# Altium PCB PCB_Chassisv1.0.PcbDoc (part 1 of 3)
Units mm, origin at the board's own origin, x right, y up, seen from the top; angles counter-clockwise.
Board outline 160 x 200 mm, 2 copper layers (Top Layer, Bottom Layer); 226 components, 223 nets, 912 pads, 760 vias.
Unrouted connection lines stored in the file: 149.
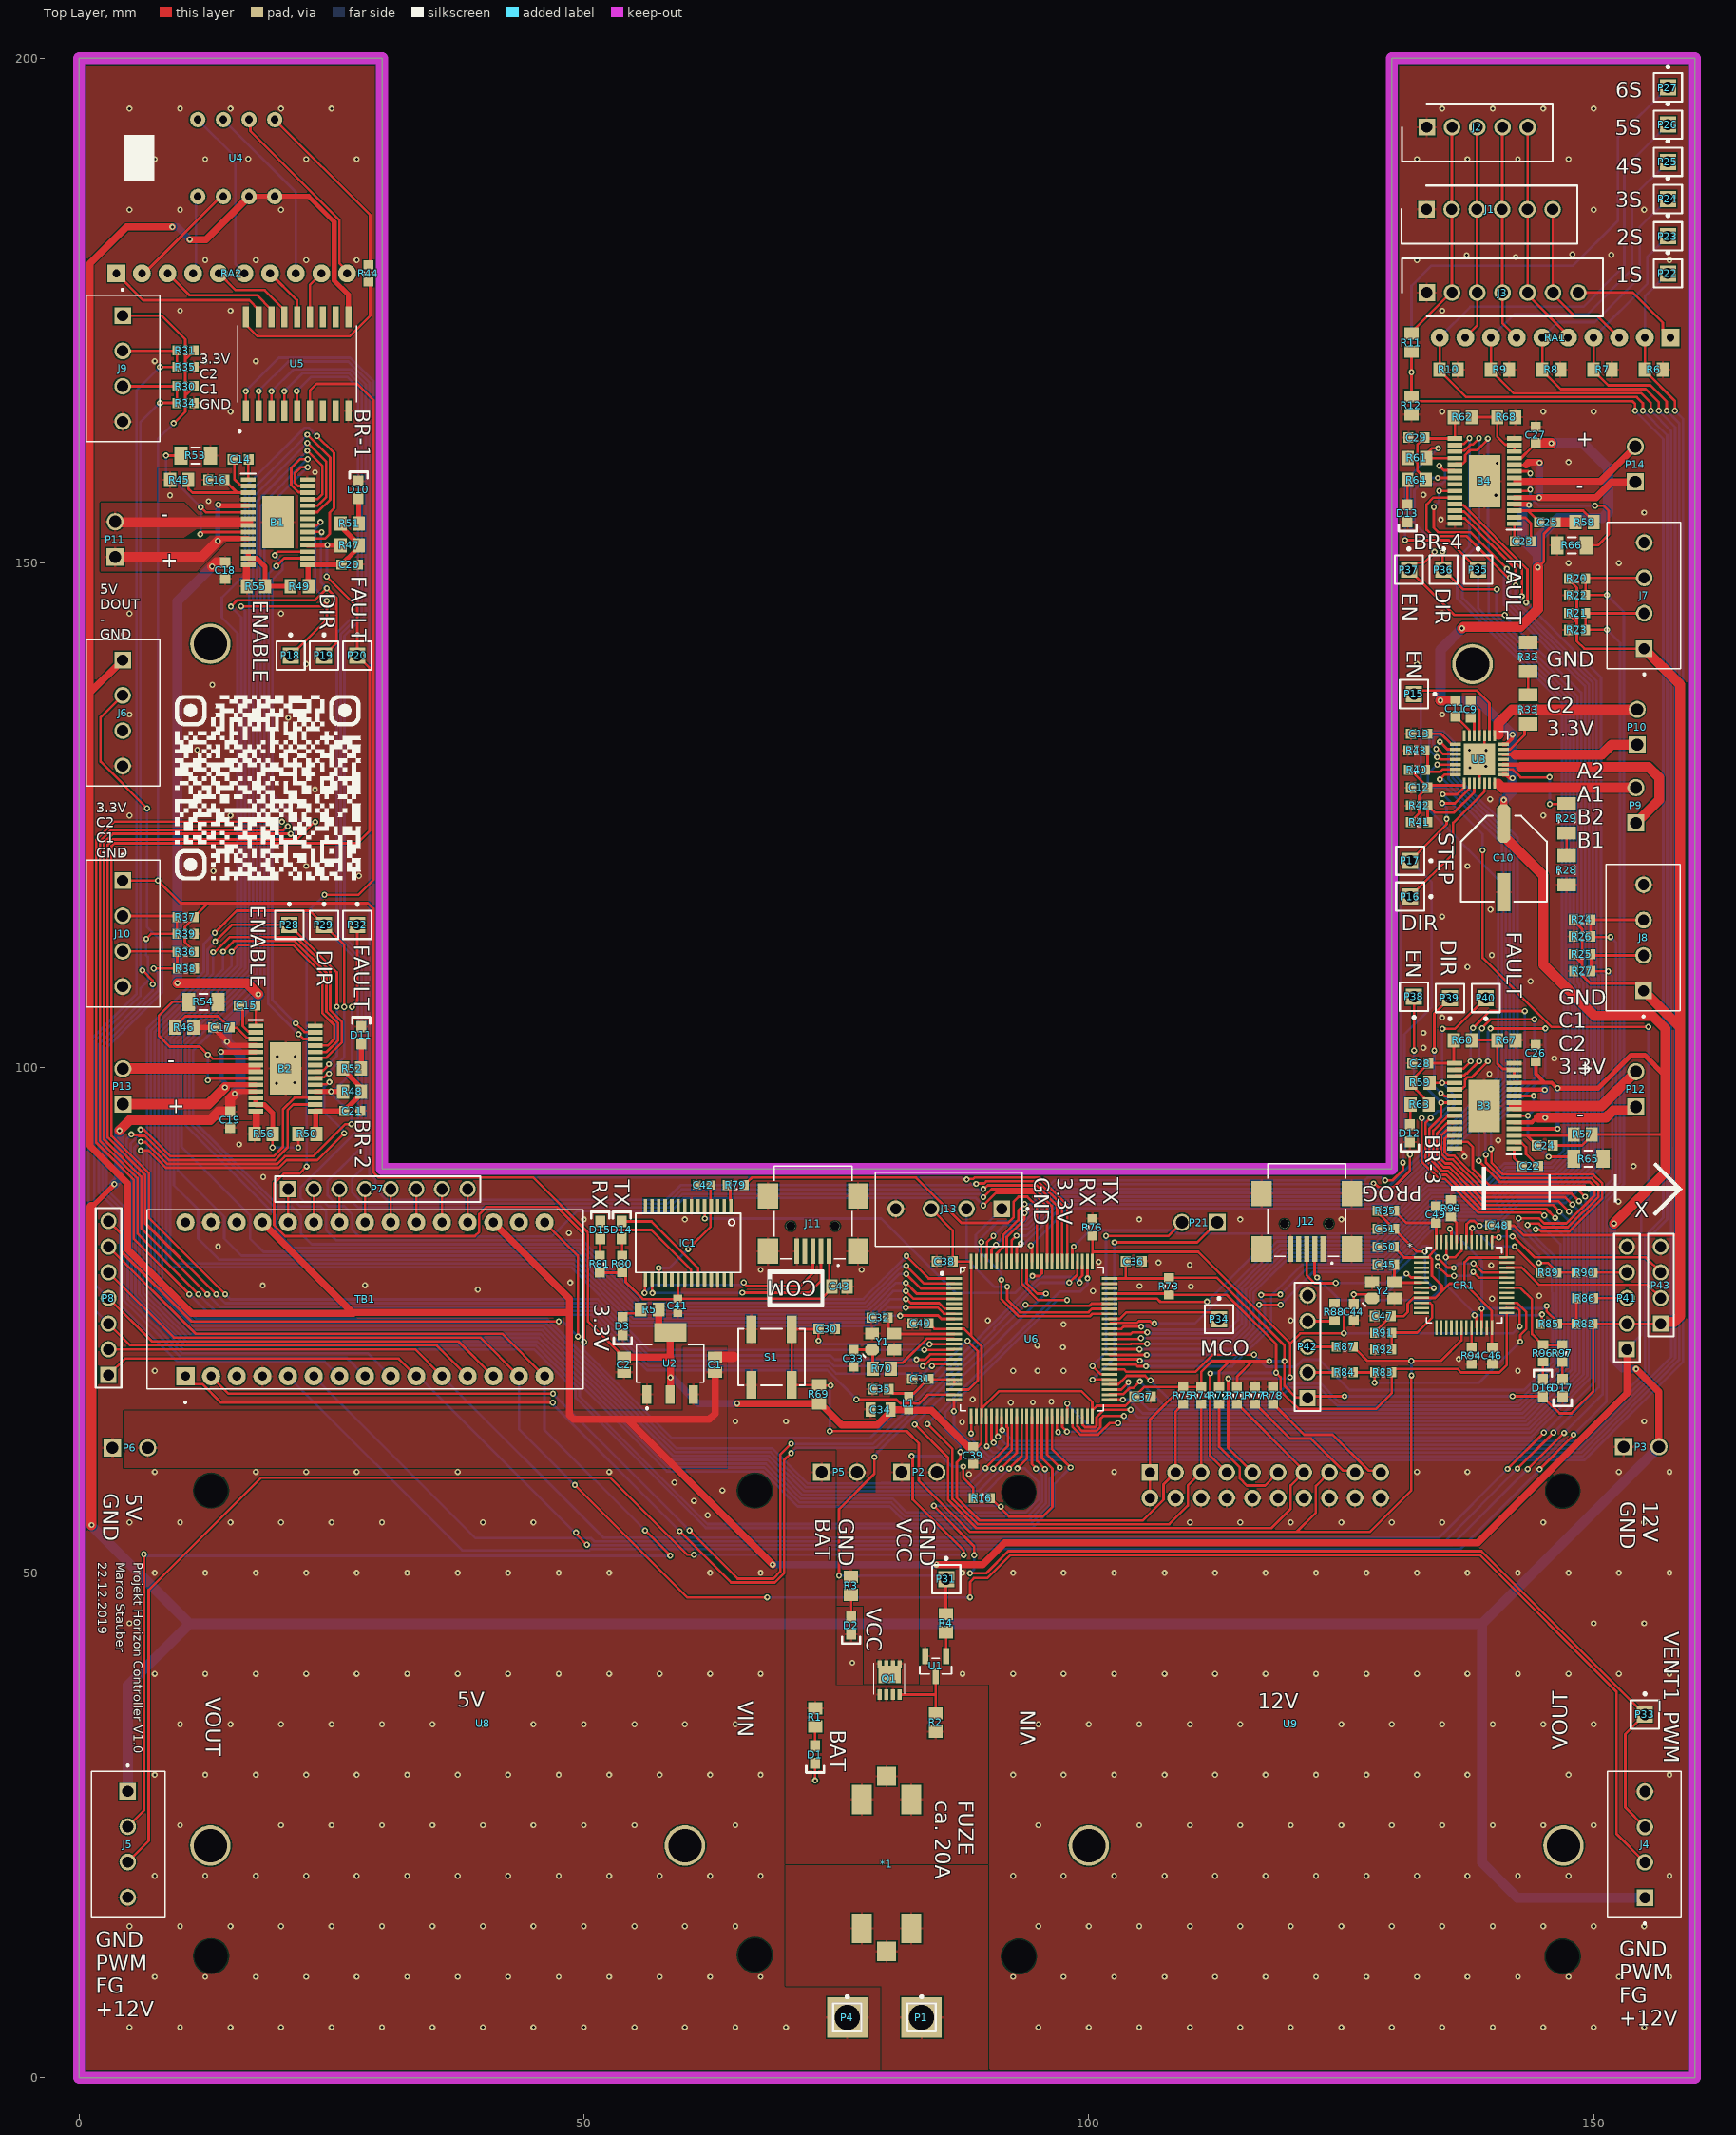
[diagram p0: Top Layer view]
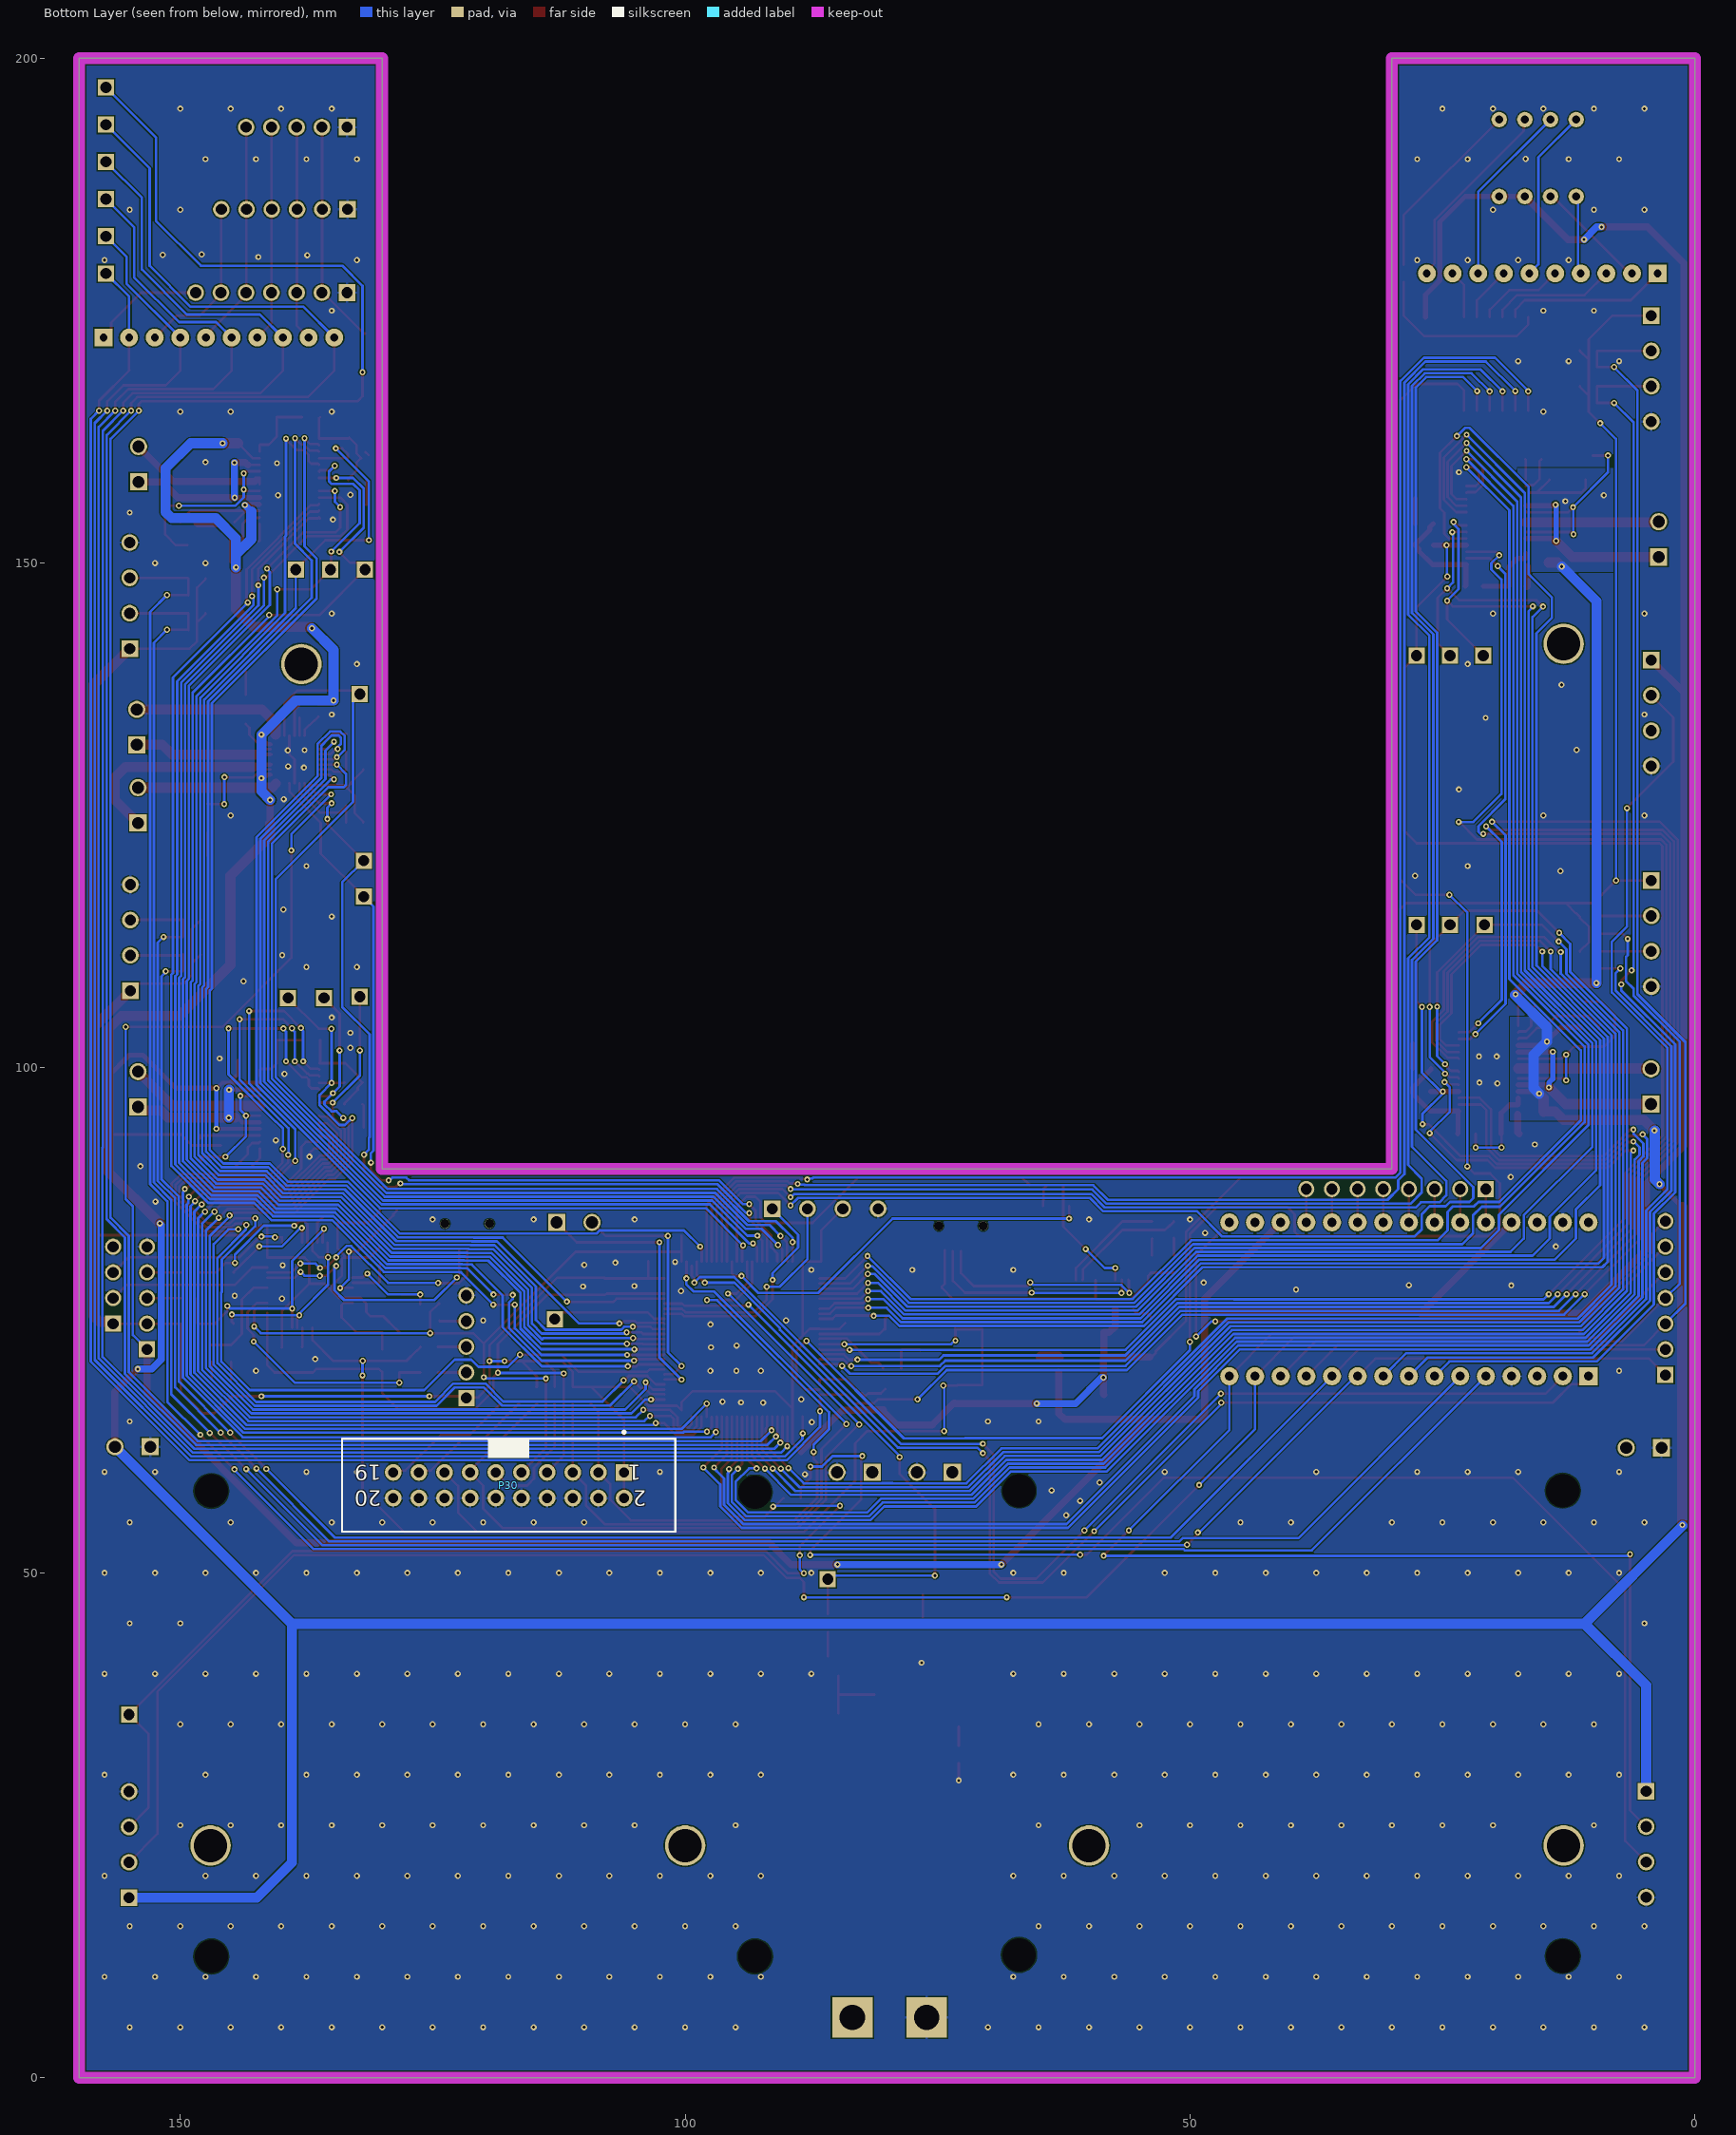
[diagram p1: Bottom Layer view, seen from below]
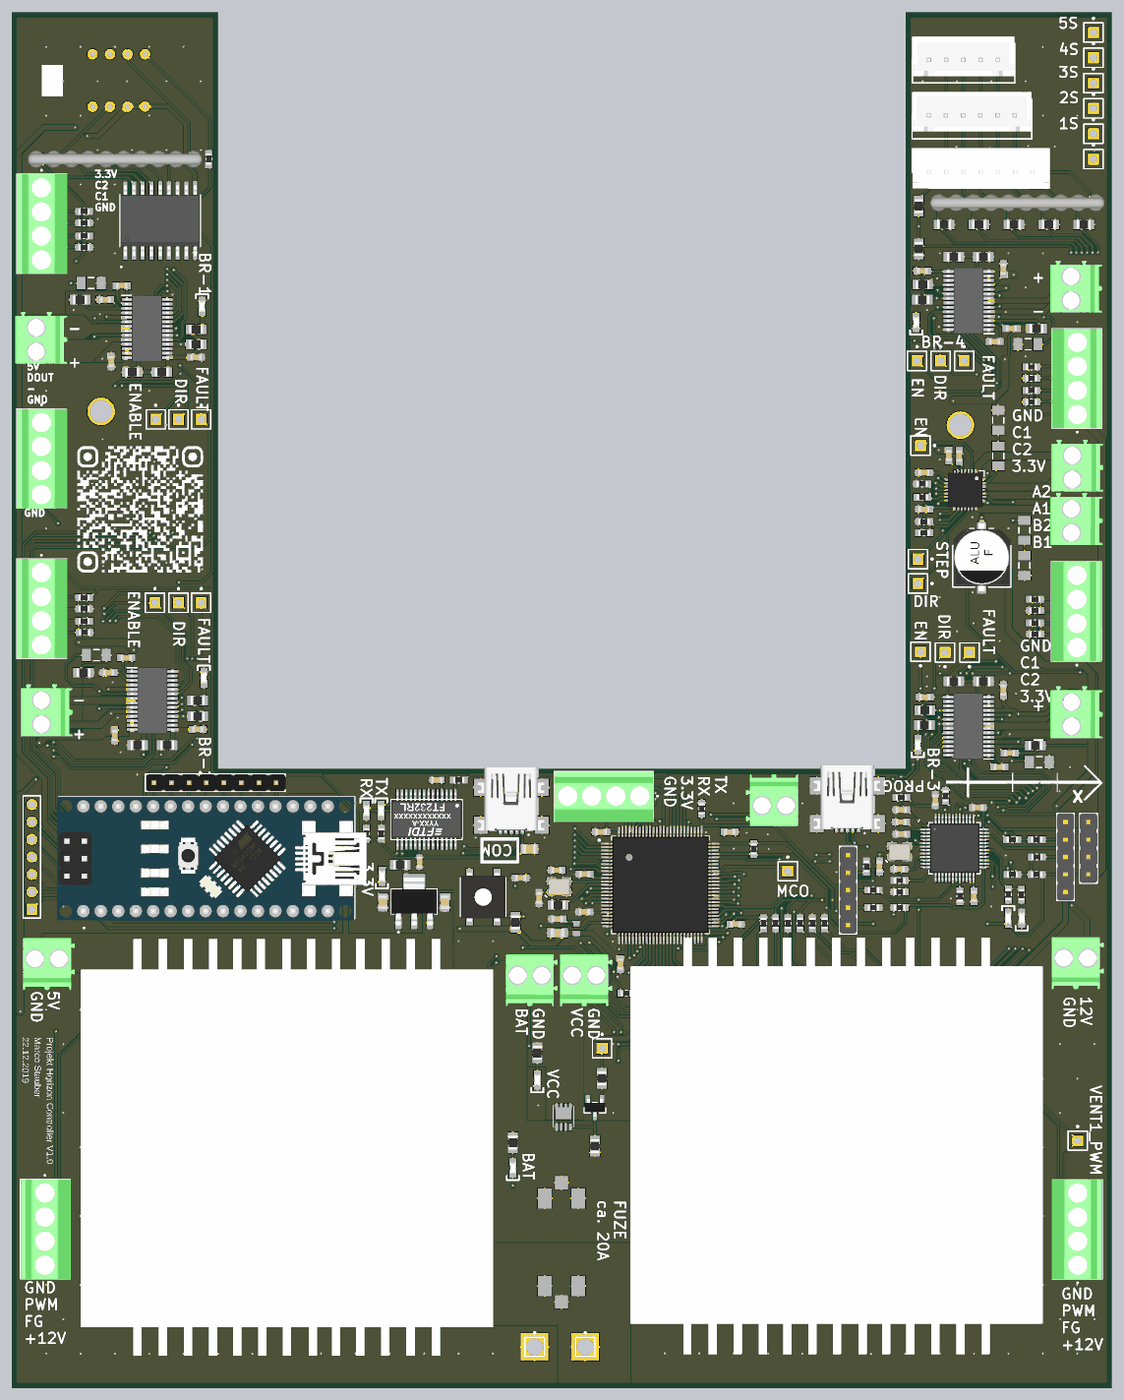
[diagram p4: 3D render of the assembled board from above, using the file's embedded part models]

## Layer stack, top to bottom
Top Solder: solder mask 0.0102, Solder Resist, Dk 3.5
Top Layer: signal copper 0.0356
Dielectric 1: dielectric 0.32, FR-4, Dk 4.8
Bottom Layer: signal copper 0.0356
Bottom Solder: solder mask 0.0102, Solder Resist, Dk 3.5

## Board outline
160.01,200 130.01,200 130.01,90 30.01,90 30.01,200 0.01,200 0.01,0 160.01,0

## Design rules (kind name [scope] priority, off if disabled: settings)
Clearance [All] p1: gap=0.127 ignorepadtopadclearanceinfootprint=FALSE
DiffPairsRouting [All] p1: maxlimit=20 minlimit=0.127 mostfreqgap=0.254 toplayer_minwidth=0.127 toplayer_maxwidth=10 toplayer_prefwidth=0.254 bottomlayer_minwidth=0.127 bottomlayer_maxwidth=10 bottomlayer_prefwidth=0.254 maxuncoupledlength=12.7
Height [All] p1: minheight=0 maxheight=100 prefheight=12.7
HoleSize [All] p1: absolutevalues=TRUE maxlimit=6.3 minlimit=0.3 maxpercent=80.000 minpercent=20.000
MinimumSolderMaskSliver [All] p1: minsoldermaskwidth=0.127
PolygonConnect [All] p1: thpad.connectstyle=Relief thpad.reliefconductorwidth=0.254 thpad.reliefentries=4 thpad.polygonreliefangle="90 Angle" thpad.airgapwidth=0.127 smdpad.connectstyle=Relief smdpad.reliefconductorwidth=0.254 smdpad.reliefentries=4 smdpad.polygonreliefangle="90 Angle" smdpad.airgapwidth=0.127 via.connectstyle=Direct via.reliefconductorwidth=0.254 via.reliefentries=4 via.polygonreliefangle="90 Angle" via.airgapwidth=0
RoutingVias [All] p1: holewidth=0.3 width=0.5 viastyle="Through Hole" minholewidth=0.3 minwidth=0.45 maxholewidth=0.711 maxwidth=1.27
SolderMaskExpansion [All] p1: expansion=0.102
UnRoutedNet [All] p1: checkbadconnections=TRUE
Width [All] p1: maxlimit=10 minlimit=0.127 preferedwidth=0.254 minimp=50.000000 maximp=50.000000 favimp=50.000000
25 further rules are at their usual default settings.

## Classes and differential pairs
component class uC: C30 C31 C32 C33 C34 C35 C36 C37 C38 C39 C40 C41 C42 C43 D14 D15 IC1 J11 J13 L1 mCO P15 P16 P17 P18 P19 P20 P21 P22 P23 P24 P25 P26 P27 P28 P29 P30 P31 P32 P33 P34 P35 P36 P37 P38 P39 P40 R69 R70 R71 R72 R73 R74 R75 R76 R77 R78 R79 R80 R81 S1 U6 Y1
component class Sheet1: C9 C10 C11 C12 C13 J4 J5 J6 J7 J8 J9 J10 P7 P8 P9 P10 R16 R20 R21 R22 R23 R24 R25 R26 R27 R28 R29 R30 R31 R32 R33 R34 R35 R36 R37 R38 R39 R40 R41 R42 R43 R44 RA2 TB1 U3 U4 U5
component class PowerSupply: *1 C1 C2 D1 D2 D3 J1 J2 J3 P1 P2 P3 P4 P5 P6 Q1 R1 R2 R3 R4 R5 R6 R7 R8 R9 R10 R11 R12 RA1 U1 U2 U9
component class MotorDriver: B1 B2 B3 B4 C14 C15 C16 C17 C18 C19 C20 C21 C22 C23 C24 C25 C26 C27 C28 C29 D10 D11 D12 D13 P11 P12 P13 P14 R45 R46 R47 R48 R49 R50 R51 R52 R53 R54 R55 R56 R57 R58 R59 R60 R61 R62 R63 R64 R65 R66 R67 R68
component class Bootloader: C44 C45 C46 C47 C48 C49 C50 C51 CR1 D16 D17 J12 P41 P42 P43 R82 R83 R84 R85 R86 R87 R88 R89 R90 R91 R92 R93 R94 R95 R96 R97 Y2

## Components (designator, comment, footprint, x,y, rotation, side; value= is the part's Value field where it differs from the comment)
*1 "Fuse" FUSE-3586KTR 79.973,12.509 r90 top
B1 "DRV8840PWP" SOP65P640X120-29N 19.685,154.051 r0 top
B2 "DRV8840PWP" SOP65P640X120-29N 20.447,99.949 r0 top
B3 "DRV8840PWP" SOP65P640X120-29N 139.175,96.247 r180 top
B4 "DRV8840PWP" SOP65P640X120-29N 139.192,158.115 r180 top
C1 "10uF" "CAP_0805i_2012m -L" 62.992,70.612 r270 top
C2 "1uF" "CAP_0805i_2012m -L" 53.975,70.612 r90 top
C9 "100n" "CAP_0603i_1608m -N" 137.82,135.509 r270 top
C10 "100uF" Cap_F-Type-Package 141.097,124.206 r180 top
C11 "100n" "CAP_0603i_1608m -N" 136.322,135.585 r270 top
C12 "220n" "CAP_0603i_1608m -N" 132.715,127.762 r0 top
C13 "220n" "CAP_0603i_1608m -N" 132.715,133.096 r180 top
C14 "10nF" "CAP_0603i_1608m -N" 16.002,160.274 r180 top
C15 "10nF" "CAP_0603i_1608m -N" 16.637,106.172 r180 top
C16 "100nF" "CAP_0603i_1608m -N" 13.589,158.242 r0 top
C17 "100nF" "CAP_0603i_1608m -N" 14.097,104.013 r180 top
C18 "100nF" "CAP_0603i_1608m -N" 14.478,149.263 r270 top
C19 "100nF" "CAP_0603i_1608m -N" 14.986,94.869 r270 top
C20 "470nF" "CAP_0603i_1608m -N" 26.797,149.86 r180 top
C21 "470nF" "CAP_0603i_1608m -N" 27.051,95.758 r180 top
C22 "10nF" "CAP_0603i_1608m -N" 143.675,90.297 r0 top
C23 "10nF" "CAP_0603i_1608m -N" 143.002,152.146 r0 top
C24 "100nF" "CAP_0603i_1608m -N" 145.161,92.329 r0 top
C25 "100nF" "CAP_0603i_1608m -N" 145.415,154.051 r0 top
C26 "100nF" "CAP_0603i_1608m -N" 144.272,101.473 r90 top
C27 "100nF" "CAP_0603i_1608m -N" 144.272,162.687 r90 top
C28 "470nF" "CAP_0603i_1608m -N" 132.842,100.457 r0 top
C29 "470nF" "CAP_0603i_1608m -N" 132.461,162.433 r0 top
C30 "Cap" "CAP_0603i_1608m -N" 74.041,74.168 r180 top
C31 "100nF" "CAP_0603i_1608m -N" 83.312,69.215 r0 top
C32 "22pF" "CAP_0603i_1608m -N" 79.273,75.286 r0 top
C33 "22pF" "CAP_0603i_1608m -N" 76.708,71.247 r90 top
C34 "10uF" "CAP_0805i_2012m -N" 79.375,66.167 r0 top
C35 "100nF" "CAP_0603i_1608m -N" 79.375,68.199 r0 top
C36 "100nF" "CAP_0603i_1608m -N" 104.445,80.848 r180 top
C37 "100nF" "CAP_0603i_1608m -N" 105.321,67.437 r180 top
C38 "100nF" "CAP_0603i_1608m -N" 85.725,80.848 r0 top
C39 "100nF" "CAP_0603i_1608m -N" 88.544,61.646 r90 top
C40 "100nF" "CAP_0603i_1608m -N" 83.337,74.727 r0 top
C41 "100nF" "CAP_0603i_1608m -L" 59.309,76.454 r90 top
C42 "100nF" "CAP_0603i_1608m -L" 61.849,88.392 r0 top
C43 "10uF" "CAP_0805i_2012m -L" 75.311,78.359 r180 top
C44 "22pF" "CAP_0603i_1608m -N" 126.238,75.819 r90 top
C45 "22pF" "CAP_0603i_1608m -N" 129.413,80.518 r0 top
C46 "100nF" "CAP_0603i_1608m -N" 139.954,71.501 r90 top
C47 "100nF" "CAP_0603i_1608m -N" 129.121,75.438 r0 top
C48 "100nF" "CAP_0603i_1608m -N" 140.538,84.404 r0 top
C49 "100nF" "CAP_0603i_1608m -N" 134.366,85.471 r270 top
C50 "100nF" "CAP_0603i_1608m -N" 129.375,82.296 r0 top
C51 "100pF" "CAP_0603i_1608m -N" 129.413,84.074 r0 top
CR1 "STM32F103C8T6" LQFP-48 137.16,78.486 r0 top
D1 "Grün" *0603 72.898,32.004 r90 top
D2 "Grün" *0603 76.454,44.78 r90 top
D3 "Grün" *0603 53.848,74.422 r90 top
D10 "Grün" *0603 27.686,157.265 r270 top
D11 "Grün" *0603 27.94,103.251 r270 top
D12 "Grün" *0603 131.801,93.523 r90 top
D13 "Grün" *0603 131.572,154.94 r90 top
D14 "Grün" *0603 53.746,83.961 r270 top
D15 "Orange" *0603 51.613,83.961 r270 top
D16 "Grün" *0603 144.958,68.301 r270 top
D17 "Orange" *0603 146.914,68.301 r90 top
IC1 "FT232RL-TUBE" *SSOP28-LD 60.325,82.677 r180 top
J1 "B6B-XH-A(LF)(SN)" SHDR6W64P0X250_1X6_1740X575X700P 133.43,185.039 r180 top
J2 "B5B-XH-A(LF)(SN)" SHDR5W64P0X250_1X5_1490X575X700P 133.47,193.167 r180 top
J3 "Balancer" SHDR7W64P0X250_1X7_1990X575X700P 133.47,176.784 r0 top
J4 "Front-LEFT" *PHOENIX_1751264 155.067,23.086 r90 top
J5 "Front-LEFT" *PHOENIX_1751264 4.826,23.114 r270 top
J6 "LED-FRONT-BACK" *PHOENIX_1751264 4.318,135.156 r270 top
J7 "Front-LEFT" *PHOENIX_1751264 155,146.784 r90 top
J8 "Front-RIGHT" *PHOENIX_1751264 154.94,112.903 r90 top
J9 "Back-LEFT" *PHOENIX_1751264 4.318,169.263 r270 top
J10 "Back-RIGHT" *PHOENIX_1751264 4.318,113.312 r270 top
J11 "UJ2-MABH-4-SMT" *CUI_UJ2-MABH-4-SMT_UJ2-MABH-4-SMT(Primary) 74.279,81.843 r180 top
J12 "USB Mini" *CUI_UJ2-MABH-4-SMT_UJ2-MABH-4-SMT(Primary) 123.18,82.072 r180 top
J13 "Front-LEFT" *PHOENIX_1751264 86.131,86.055 r180 top
L1 "Inductor" "IND_0603i_1608m -L" 82.169,66.802 r270 top
P1 "Battery +" PIN1#1 83.439,5.969 r0 top
P2 "Header 2" "3.5MM Phoenix Contact 1984617" 81.458,59.969 r0 top
P3 "Header 2" "3.5MM Phoenix Contact 1984617" 152.964,62.484 r0 top
P4 "Battery -" PIN1#1 76.073,5.969 r0 top
P5 "Header 2" "3.5MM Phoenix Contact 1984617" 73.538,59.969 r0 top
P6 "Header 2" "3.5MM Phoenix Contact 1984617" 3.302,62.382 r0 top
P7 "NP" HDR1X8 20.701,88.011 r0 top
P8 "Header 7" HDR1X7 2.921,69.596 r90 top
P9 "Header 2" "3.5MM Phoenix Contact 1984617" 154.178,124.262 r90 top
P10 "Header 2" "3.5MM Phoenix Contact 1984617" 154.305,132.009 r90 top
P11 "Header 2" "3.5MM Phoenix Contact 1984617" 3.581,150.602 r90 top
P12 "Header 2" "3.5MM Phoenix Contact 1984617" 154.178,96.139 r90 top
P13 "Header 2" "3.5MM Phoenix Contact 1984617" 4.343,96.424 r90 top
P14 "Header 2" "3.5MM Phoenix Contact 1984617" 154.127,158.044 r90 top
P15 "Pad" PIN1#2 132.207,137.033 r270 top
P16 "Pad" PIN1#2 131.826,116.967 r270 top
P17 "Pad" PIN1#2 131.826,120.523 r270 top
P18 "Pad" PIN1#2 20.955,140.843 r0 top
P19 "Pad" PIN1#2 24.257,140.843 r0 top
P20 "Pad" PIN1#2 27.559,140.843 r0 top
P21 "Header 2" "3.5MM Phoenix Contact 1984617" 112.72,84.709 r180 top
P22 "Pad" PIN1#2 157.353,178.689 r0 top
P23 "Pad" PIN1#2 157.353,182.372 r0 top
P24 "Pad" PIN1#2 157.353,186.055 r0 top
P25 "Pad" PIN1#2 157.353,189.738 r0 top
P26 "Pad" PIN1#2 157.353,193.421 r0 top
P27 "Pad" PIN1#2 157.353,197.104 r0 top
P28 "Pad" PIN1#2 20.828,114.173 r0 top
P29 "Pad" PIN1#2 24.257,114.173 r0 top
P30 "IDC-20" IDC-20 117.475,58.674 r0 bottom
P31 "Pad" PIN1#2 85.877,49.378 r0 top
P32 "Pad" PIN1#2 27.559,114.173 r0 top
P33 "Pad" PIN1#2 155.067,35.966 r0 top
P34 "Pad" PIN1#2 112.903,75.133 r0 top
P35 "Pad" PIN1#2 138.557,149.352 r0 top
P36 "Pad" PIN1#2 135.128,149.352 r0 top
P37 "Pad" PIN1#2 131.699,149.352 r0 top
P38 "Pad" PIN1#2 132.207,107.061 r180 top
P39 "Pad" PIN1#2 135.763,106.934 r180 top
P40 "Pad" PIN1#2 139.319,106.934 r180 top
P41 "SWIM" HDR1X5 153.289,72.136 r90 top
P42 "SWD" HDR1X5 121.666,67.31 r90 top
P43 "Program" HDR1X4 156.642,74.676 r90 top
Q1 "PMOS" SIS862DNT1GE3 80.264,39.497 r90 top
R1 "10k" "RES_0805i_2012m -N" 72.898,35.687 r90 top
R2 "100k" "RES_0805i_2012m -N" 84.836,35.179 r270 top
R3 "10k" "RES_0805i_2012m -N" 76.454,48.717 r90 top
R4 "10k" "RES_0805i_2012m -N" 85.852,45.009 r90 top
R5 "10k" "RES_0805i_2012m -N" 56.515,76.073 r0 top
R6 "9.1k" "RES_0805i_2012m -N" 155.956,169.164 r180 top
R7 "11k" "RES_0805i_2012m -N" 150.887,169.164 r180 top
R8 "15k" "RES_0805i_2012m -N" 145.796,169.164 r180 top
R9 "20k" "RES_0805i_2012m -N" 140.716,169.164 r180 top
R10 "33k" "RES_0805i_2012m -N" 135.636,169.164 r180 top
R11 "100k" "RES_0805i_2012m -N" 131.953,171.831 r90 top
R12 "100k" "RES_0805i_2012m -N" 131.953,165.608 r90 top
R16 "NP" "RES_0603i_1608m -N" 89.405,57.392 r0 top
R20 "NP" "RES_0603i_1608m -N" 148.336,148.463 r180 top
R21 "NP" "RES_0603i_1608m -N" 148.336,145.034 r180 top
R22 "NP" "RES_0603i_1608m -N" 148.336,146.812 r0 top
R23 "NP" "RES_0603i_1608m -N" 148.336,143.383 r0 top
R24 "NP" "RES_0603i_1608m -N" 148.844,114.681 r180 top
R25 "NP" "RES_0603i_1608m -N" 148.844,111.252 r180 top
R26 "NP" "RES_0603i_1608m -N" 148.844,113.03 r0 top
R27 "NP" "RES_0603i_1608m -N" 148.883,109.601 r0 top
R28 "50m" "RES_1206i_C3216m -N" 147.32,119.581 r90 top
R29 "50m" "RES_1206i_C3216m -N" 147.32,124.714 r90 top
R30 "NP" "RES_0603i_1608m -N" 10.541,167.513 r0 top
R31 "NP" "RES_0603i_1608m -N" 10.541,171.069 r0 top
R32 "50m" "RES_1206i_C3216m -N" 143.51,140.716 r270 top
R33 "50m" "RES_1206i_C3216m -N" 143.51,135.509 r270 top
R34 "NP" "RES_0603i_1608m -N" 10.541,165.862 r180 top
R35 "NP" "RES_0603i_1608m -N" 10.541,169.418 r180 top
R36 "NP" "RES_0603i_1608m -N" 10.541,111.506 r0 top
R37 "NP" "RES_0603i_1608m -N" 10.541,114.935 r0 top
R38 "NP" "RES_0603i_1608m -N" 10.58,109.855 r180 top
R39 "NP" "RES_0603i_1608m -N" 10.541,113.284 r180 top
R40 "NP" "RES_0603i_1608m -N" 132.486,129.54 r180 top
R41 "47k" "RES_0603i_1608m -N" 132.715,124.333 r0 top
R42 "12k" "RES_0603i_1608m -N" 132.715,125.984 r180 top
R43 "0" "RES_0603i_1608m -N" 132.442,131.445 r180 top
R44 "1k" "RES_0603i_1608m -N" 28.651,178.689 r90 top
R45 "1M" "RES_0805i_2012m -N" 9.917,158.242 r0 top
R46 "1M" "RES_0805i_2012m -N" 10.425,104.013 r180 top